# Allegro board meta_carrier_lay_rev1.brd (continued)
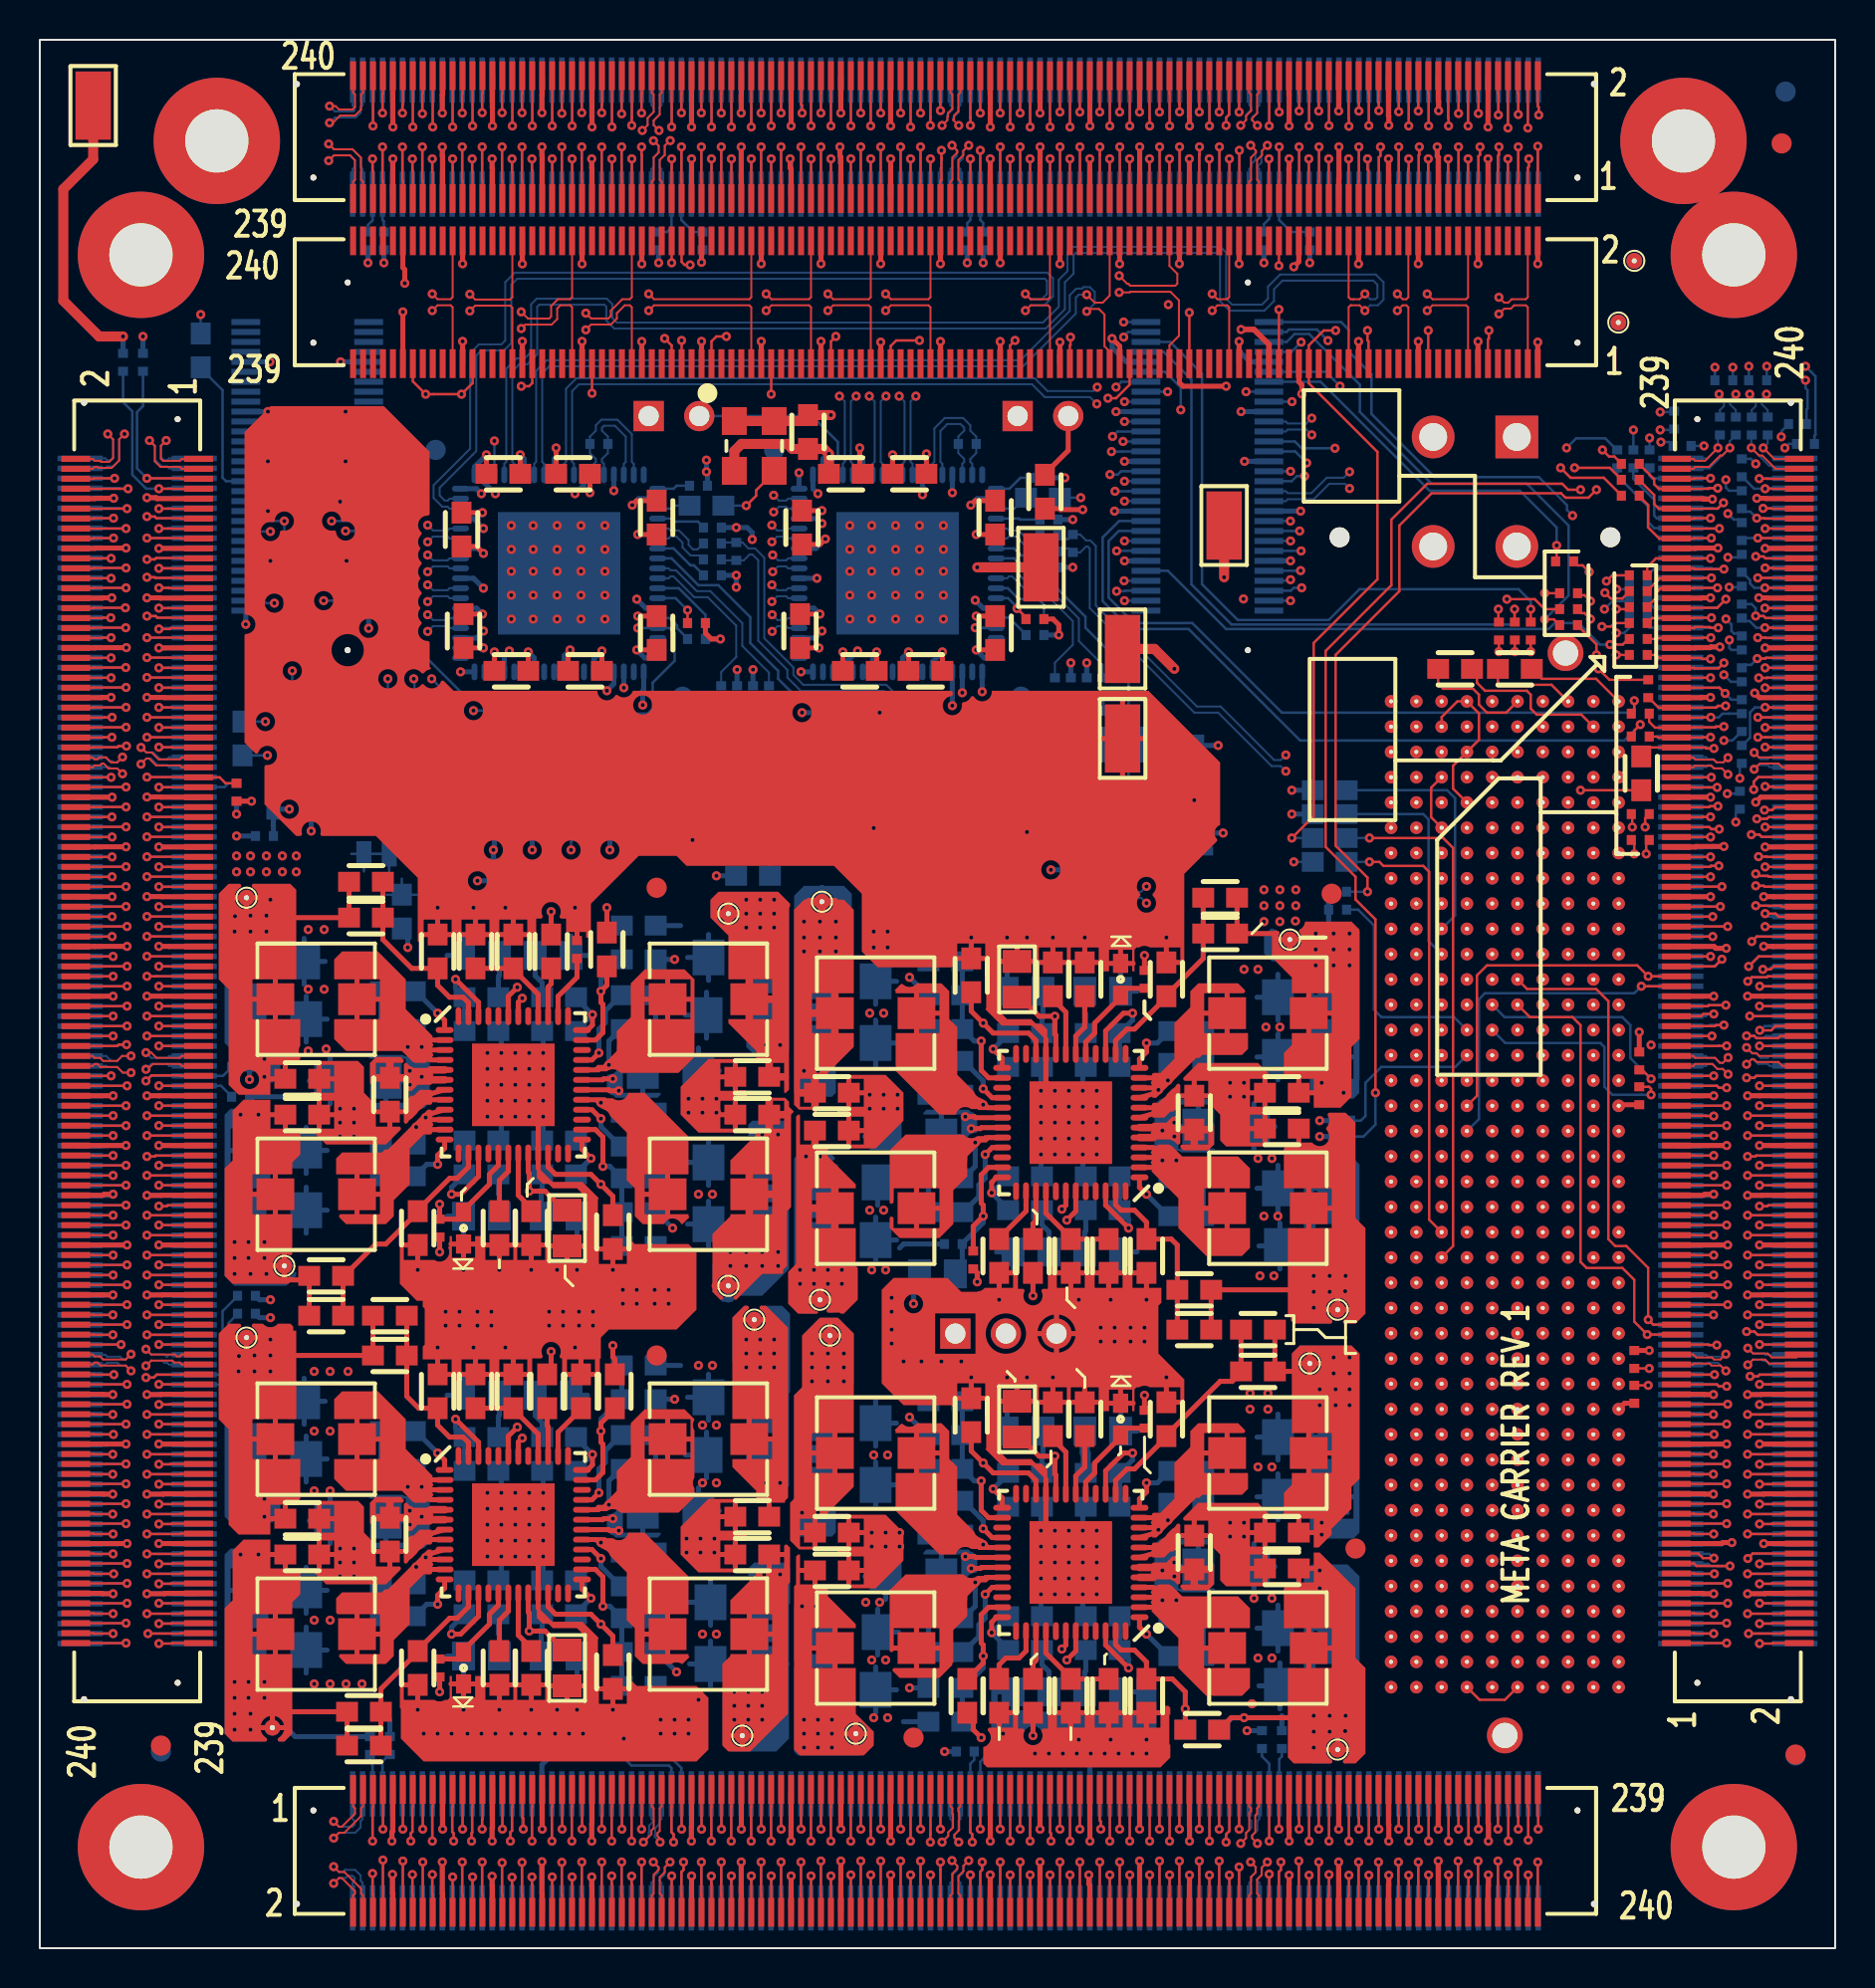
[diagram p0: board, top side]
## Routing (per net, layer and track width the routed paths; a pad name or vN(x,y) marks a point on that pad's centre or on a via; arc(x,y) is an arc through that point) (continued)
  GND_L9 w0.254: 79.3,22.71 79.3,23.27 ; 79.3,23.27 78.73,23.27 ; 79.3,23.27 79.3,23.84 ; 79.3,23.27 79.86,23.27 ; 67.86,18.2 67.86,18.76 ; 67.86,18.2 68.43,18.2 ; 67.86,18.2 67.3,18.2 ; 67.86,18.2 67.86,17.63 ; P1.A32 68.43,52.48 ; P1.A32 67.3,52.48 ; P1.A32 67.86,53.05 ; P1.A32 67.86,51.92 ; 72.94,21.44 P1.E8 ; P1.E8 73.51,22.01 ; P1.E8 72.38,22.01 ; P1.E8 72.94,22.57 ; 79.3,26.52 P1.K12 ; P1.K12 79.3,27.65 ; P1.K12 79.86,27.09 ; P1.K12 78.73,27.09 ; P1.H24 76.75,42.89 ; P1.H24 76.19,42.32 ; P1.H24 76.75,41.76 ; P1.H24 77.32,42.32 ; P1.D22 72.24,39.78 ; P1.D22 71.67,39.22 ; P1.D22 71.67,40.35 ; P1.D22 71.11,39.78 ; 67.86,21.44 P1.A8 ; P1.A8 67.3,22.01 ; P1.A8 67.86,22.57 ; P1.A8 68.43,22.01 ; 78.02,33.44 78.59,33.44 ; 78.02,33.44 78.02,34 ; 78.02,33.44 77.46,33.44 ; 78.02,33.44 78.02,32.87 ; 77.46,52.48 P1.J32 ; P1.J32 78.02,51.92 ; P1.J32 78.59,52.48 ; P1.J32 78.02,53.05 ; 68.57,44.86 P1.B26 ; P1.B26 69.14,44.3 ; P1.B26 69.7,44.86 ; P1.B26 69.14,45.43 ; P1.B34 69.7,55.02 ; P1.B34 69.14,54.46 ; P1.B34 69.14,55.59 ; P1.B34 68.57,55.02 ; 79.3,15.65 79.3,16.22 ; 79.3,15.65 79.3,15.09 ; 79.3,15.65 79.86,15.65 ; 79.3,15.65 78.73,15.65 ; P1.B18 69.14,35.27 ; P1.B18 68.57,34.7 ; P1.B18 69.14,34.14 ; P1.B18 69.7,34.7 ; 78.02,13.12 78.02,13.68 ; 78.02,13.12 78.02,12.55 ; 78.02,13.12 77.46,13.12 ; 78.02,13.12 78.59,13.12 ; 70.41,23.27 70.97,23.27 ; 70.41,23.27 70.41,23.84 ; 70.41,23.27 69.84,23.27 ; 70.41,23.27 70.41,22.71 ; 68.57,14.38 P1.B2 ; P1.B2 69.14,14.95 ; P1.B2 69.7,14.38 ; P1.B2 69.14,13.82 ; 69.14,60.81 P1.B39 ; P1.B39 69.14,61.94 ; P1.B39 68.57,61.38 ; P1.B39 69.7,61.38 ; 71.67,35.98 72.24,35.98 ; 71.67,35.98 71.67,36.54 ; 71.67,35.98 71.67,35.41 ; 71.67,35.98 71.11,35.98 ; 71.67,20.17 71.67,20.73 ; 71.67,20.73 71.67,21.3 ; 71.67,20.73 72.24,20.73 ; 71.67,20.73 71.11,20.73 ; 72.94,33.44 72.94,34 ; 72.94,33.44 73.51,33.44 ; 72.94,33.44 72.38,33.44 ; 72.94,33.44 72.94,32.87 ; 75.48,32.87 75.48,33.44 ; 75.48,33.44 74.92,33.44 ; 75.48,33.44 75.48,34 ; 75.48,33.44 76.05,33.44 ; P1.J26 78.59,44.86 ; P1.J26 78.02,45.43 ; P1.J26 77.46,44.86 ; P1.J26 78.02,44.3 ; 67.86,46.84 P1.A28 ; P1.A28 67.3,47.41 ; P1.A28 67.86,47.97 ; P1.A28 68.43,47.41 ; 69.14,41.05 69.14,41.62 ; 69.14,41.05 69.7,41.05 ; 69.14,41.05 69.14,40.49 ; 69.14,41.05 68.57,41.05 ; 76.75,18.9 P1.H6 ; P1.H6 77.32,19.46 ; P1.H6 76.75,20.03 ; P1.H6 76.19,19.46 ; 75.48,59.54 P1.G38 ; P1.G38 76.05,60.1 ; P1.G38 75.48,60.67 ; P1.G38 74.92,60.1 ; 79.3,30.9 79.86,30.9 ; 79.3,30.9 79.3,31.46 ; 79.3,30.9 78.73,30.9 ; 79.3,30.9 79.3,30.33 ; 70.41,41.76 P1.C24 ; P1.C24 70.41,42.89 ; P1.C24 69.84,42.32 ; P1.C24 70.97,42.32 ; 68.57,24.55 P1.B10 ; P1.B10 69.14,25.11 ; P1.B10 69.14,23.98 ; P1.B10 69.7,24.55 ; P1.G29 76.05,48.67 ; P1.G29 75.48,49.24 ; P1.G29 75.48,48.11 ; P1.G29 74.92,48.67 ; 69.84,47.41 P1.C28 ; P1.C28 70.97,47.41 ; P1.C28 70.41,47.97 ; P1.C28 70.41,46.84 ; 70.41,51.92 P1.C32 ; P1.C32 69.84,52.48 ; P1.C32 70.41,53.05 ; P1.C32 70.97,52.48 ; 72.38,62.64 P1.E40 ; P1.E40 73.51,62.64 ; P1.E40 72.94,63.21 ; P1.E40 72.94,62.08 ; 75.48,29.06 P1.G14 ; P1.G14 74.92,29.62 ; P1.G14 75.48,30.19 ; P1.G14 76.05,29.62 ; 69.14,35.98 69.7,35.98 ; 69.14,35.98 69.14,36.54 ; 69.14,35.98 68.57,35.98 ; 69.14,35.98 69.14,35.41 ; 76.75,38.52 76.75,39.08 ; 76.75,38.52 76.75,37.95 ; 76.75,38.52 77.32,38.52 ; 76.75,38.52 76.19,38.52 ; 76.19,61.38 P1.H39 ; P1.H39 76.75,60.81 ; P1.H39 76.75,61.94 ; P1.H39 77.32,61.38 ; 72.94,44.3 P1.E26 ; P1.E26 73.51,44.86 ; P1.E26 72.94,45.43 ; P1.E26 72.38,44.86 ; P1.J40 78.59,62.64 ; P1.J40 78.02,63.21 ; P1.J40 78.02,62.08 ; P1.J40 77.46,62.64 ; P1.J20 78.59,37.24 ; P1.J20 78.02,36.68 ; P1.J20 77.46,37.24 ; P1.J20 78.02,37.81 ; P1.G26 76.05,44.86 ; P1.G26 75.48,45.43 ; P1.G26 74.92,44.86 ; P1.G26 75.48,44.3 ; 78.02,25.25 P1.J11 ; P1.J11 77.46,25.81 ; P1.J11 78.59,25.81 ; P1.J11 78.02,26.38 ; 67.3,27.09 P1.A12 ; P1.A12 68.43,27.09 ; P1.A12 67.86,26.52 ; P1.A12 67.86,27.65 ; P1.F12 74.78,27.09 ; P1.F12 73.65,27.09 ; P1.F12 74.22,26.52 ; P1.F12 74.22,27.65 ; P1.C20 70.41,37.81 ; P1.C20 70.41,36.68 ; P1.C20 70.97,37.24 ; P1.C20 69.84,37.24 ; 77.46,18.2 78.02,18.2 ; 78.02,18.2 78.02,17.63 ; 78.02,18.2 78.59,18.2 ; 78.02,18.2 78.02,18.76 ; 76.19,14.38 P1.H2 ; P1.H2 76.75,13.82 ; P1.H2 77.32,14.38 ; P1.H2 76.75,14.95 ; 69.84,16.93 P1.C4 ; P1.C4 70.41,16.36 ; P1.C4 70.41,17.49 ; P1.C4 70.97,16.93 ; P1.A13 67.86,28.92 ; P1.A13 67.3,28.35 ; P1.A13 68.43,28.35 ; P1.A13 67.86,27.79 ; P1.B38 69.14,60.67 ; P1.B38 69.14,59.54 ; P1.B38 68.57,60.1 ; P1.B38 69.7,60.1 ; 74.22,38.52 74.22,39.08 ; 74.22,38.52 74.22,37.95 ; 74.22,38.52 74.78,38.52 ; 74.22,38.52 73.65,38.52 ; 67.3,58.84 67.86,58.84 ; 67.86,58.84 67.86,58.27 ; 67.86,58.84 68.43,58.84 ; 67.86,58.84 67.86,59.4 ; 71.67,58.27 71.67,58.84 ; 71.67,58.84 72.24,58.84 ; 71.67,58.84 71.67,59.4 ; 71.67,58.84 71.11,58.84 ; 73.65,61.38 P1.F39 ; P1.F39 74.78,61.38 ; P1.F39 74.22,60.81 ; P1.F39 74.22,61.94 ; 73.65,46.13 P1.F27 ; P1.F27 74.22,45.57 ; P1.F27 74.78,46.13 ; P1.F27 74.22,46.7 ; 67.86,48.11 P1.A29 ; P1.A29 67.3,48.67 ; P1.A29 68.43,48.67 ; P1.A29 67.86,49.24 ; P1.E14 73.51,29.62 ; P1.E14 72.94,29.06 ; P1.E14 72.38,29.62 ; P1.E14 72.94,30.19 ; P1.D6 71.67,20.03 ; P1.D6 71.11,19.46 ; P1.D6 72.24,19.46 ; P1.D6 71.67,18.9 ; 67.86,13.12 67.86,13.68 ; 67.86,13.12 67.86,12.55 ; 67.86,13.12 67.3,13.12 ; 67.86,13.12 68.43,13.12 ; 78.73,19.46 P1.K6 ; P1.K6 79.86,19.46 ; P1.K6 79.3,18.9 ; P1.K6 79.3,20.03 ; 76.19,15.65 76.75,15.65 ; 76.75,15.65 77.32,15.65 ; 76.75,15.65 76.75,16.22 ; 76.75,15.65 76.75,15.09 ; 68.57,30.9 69.14,30.9 ; 69.14,30.9 69.14,31.46 ; 69.14,30.9 69.14,30.33 ; 69.14,30.9 69.7,30.9 ; P1.J38 78.02,60.67 ; P1.J38 77.46,60.1 ; P1.J38 78.02,59.54 ; P1.J38 78.59,60.1 ; P1.D28 72.24,47.41 ; P1.D28 71.11,47.41 ; P1.D28 71.67,47.97 ; P1.D28 71.67,46.84 ; 78.73,42.32 P1.K24 ; P1.K24 79.86,42.32 ; P1.K24 79.3,42.89 ; P1.K24 79.3,41.76 ; 70.41,12.55 70.41,13.12 ; 70.41,13.12 70.97,13.12 ; 70.41,13.12 69.84,13.12 ; 70.41,13.12 70.41,13.68 ; P1.B22 69.7,39.78 ; P1.B22 69.14,39.22 ; P1.B22 68.57,39.78 ; P1.B22 69.14,40.35 ; 77.46,48.67 P1.J29 ; P1.J29 78.59,48.67 ; P1.J29 78.02,49.24 ; P1.J29 78.02,48.11 ; 76.19,46.13 P1.H27 ; P1.H27 77.32,46.13 ; P1.H27 76.75,46.7 ; P1.H27 76.75,45.57 ; 72.38,37.24 P1.E20 ; P1.E20 72.94,37.81 ; P1.E20 73.51,37.24 ; P1.E20 72.94,36.68 ; 71.11,15.65 71.67,15.65 ; 71.67,15.65 71.67,15.09 ; 71.67,15.65 72.24,15.65 ; 71.67,15.65 71.67,16.22 ; P1.K27 79.86,46.13 ; P1.K27 79.3,46.7 ; P1.K27 79.3,45.57 ; P1.K27 78.73,46.13 ; P1.G11 76.05,25.81 ; P1.G11 75.48,26.38 ; P1.G11 74.92,25.81 ; P1.G11 75.48,25.25 ; P1.G40 76.05,62.64 ; P1.G40 75.48,62.08 ; P1.G40 74.92,62.64 ; P1.G40 75.48,63.21 ; 78.73,49.95 P1.K30 ; P1.K30 79.3,49.38 ; P1.K30 79.86,49.95 ; P1.K30 79.3,50.51 ; 67.86,16.36 P1.A4 ; P1.A4 67.86,17.49 ; P1.A4 68.43,16.93 ; P1.A4 67.3,16.93 ; P1.K18 79.86,34.7 ; P1.K18 79.3,34.14 ; P1.K18 78.73,34.7 ; P1.K18 79.3,35.27 ; 69.14,15.09 69.14,15.65 ; 69.14,15.65 68.57,15.65 ; 69.14,15.65 69.14,16.22 ; 69.14,15.65 69.7,15.65 ; P1.C33 70.97,53.75 ; P1.C33 70.41,54.32 ; P1.C33 70.41,53.19 ; P1.C33 69.84,53.75 ; 73.65,23.27 74.22,23.27 ; 74.22,23.27 74.22,23.84 ; 74.22,23.27 74.22,22.71 ; 74.22,23.27 74.78,23.27 ; 72.94,56.3 73.51,56.3 ; 72.94,56.3 72.94,55.73 ; 72.94,56.3 72.38,56.3 ; 72.94,56.3 72.94,56.86 ; 74.22,15.09 74.22,15.65 ; 74.22,15.65 74.78,15.65 ; 74.22,15.65 74.22,16.22 ; 74.22,15.65 73.65,15.65 ; P1.K36 79.86,57.56 ; P1.K36 79.3,57 ; P1.K36 78.73,57.56 ; P1.K36 79.3,58.13 ; P1.K33 79.3,54.32 ; P1.K33 79.3,53.19 ; P1.K33 78.73,53.75 ; P1.K33 79.86,53.75 ; 75.48,21.44 P1.G8 ; P1.G8 76.05,22.01 ; P1.G8 74.92,22.01 ; P1.G8 75.48,22.57 ; 74.18,74.6 J7.1 ; J7.1 72.85,75.93 ; J7.1 74.18,77.26 ; J7.1 75.51,75.93 ; P1.F24 74.78,42.32 ; P1.F24 73.65,42.32 ; P1.F24 74.22,42.89 ; P1.F24 74.22,41.76 ; 76.75,49.38 P1.H30 ; P1.H30 76.75,50.51 ; P1.H30 76.19,49.95 ; P1.H30 77.32,49.95 ; P1.A24 67.86,42.89 ; P1.A24 67.3,42.32 ; P1.A24 68.43,42.32 ; P1.A24 67.86,41.76 ; 74.22,13.82 P1.F2 ; P1.F2 74.22,14.95 ; P1.F2 74.78,14.38 ; P1.F2 73.65,14.38 ; P1.D10 72.24,24.55 ; P1.D10 71.11,24.55 ; P1.D10 71.67,23.98 ; P1.D10 71.67,25.11 ; 74.22,34.14 P1.F18 ; P1.F18 74.78,34.7 ; P1.F18 73.65,34.7 ; P1.F18 74.22,35.27 ; 67.86,57 P1.A36 ; P1.A36 67.3,57.56 ; P1.A36 68.43,57.56 ; P1.A36 67.86,58.13 ; 71.11,32.16 P1.D16 ; P1.D16 71.67,31.6 ; P1.D16 72.24,32.16 ; P1.D16 71.67,32.73 ; 71.67,27.79 P1.D13 ; P1.D13 71.11,28.35 ; P1.D13 71.67,28.92 ; P1.D13 72.24,28.35 ; 75.48,18.2 76.05,18.2 ; 75.48,18.2 75.48,18.76 ; 75.48,18.2 74.92,18.2 ; 75.48,18.2 75.48,17.63 ; P1.B14 69.14,30.19 ; P1.B14 68.57,29.62 ; P1.B14 69.7,29.62 ; P1.B14 69.14,29.06 ; 71.11,61.38 P1.D39 ; P1.D39 71.67,60.81 ; P1.D39 72.24,61.38 ; P1.D39 71.67,61.94 ; P1.J4 78.02,17.49 ; P1.J4 78.59,16.93 ; P1.J4 77.46,16.93 ; P1.J4 78.02,16.36 ; 69.84,22.01 P1.C8 ; P1.C8 70.41,21.44 ; P1.C8 70.97,22.01 ; P1.C8 70.41,22.57 ; 69.84,38.52 70.41,38.52 ; 70.41,38.52 70.41,37.95 ; 70.41,38.52 70.41,39.08 ; 70.41,38.52 70.97,38.52 ; P1.C12 70.41,27.65 ; P1.C12 70.97,27.09 ; P1.C12 69.84,27.09 ; P1.C12 70.41,26.52 ; P1.A16 68.43,32.16 ; P1.A16 67.86,32.73 ; P1.A16 67.86,31.6 ; P1.A16 67.3,32.16 ; 69.14,20.73 69.14,21.3 ; 69.14,20.73 69.7,20.73 ; 69.14,20.73 68.57,20.73 ; 69.14,20.73 69.14,20.17 ; 76.75,30.33 76.75,30.9 ; 76.75,30.9 77.32,30.9 ; 76.75,30.9 76.19,30.9 ; 76.75,30.9 76.75,31.46 ; P1.K2 79.86,14.38 ; P1.K2 79.3,14.95 ; P1.K2 78.73,14.38 ; P1.K2 79.3,13.82 ; P1.E32 73.51,52.48 ; P1.E32 72.38,52.48 ; P1.E32 72.94,51.92 ; P1.E32 72.94,53.05 ; P1.C38 70.97,60.1 ; P1.C38 69.84,60.1 ; P1.C38 70.41,59.54 ; P1.C38 70.41,60.67 ; P1.E29 73.51,48.67 ; P1.E29 72.94,48.11 ; P1.E29 72.38,48.67 ; P1.E29 72.94,49.24 ; 75.48,41.05 75.48,41.62 ; 75.48,41.05 76.05,41.05 ; 75.48,41.05 74.92,41.05 ; 75.48,41.05 75.48,40.49 ; P1.C36 70.41,58.13 ; P1.C36 70.97,57.56 ; P1.C36 70.41,57 ; P1.C36 69.84,57.56 ; 74.22,30.33 74.22,30.9 ; 74.22,30.9 74.78,30.9 ; 74.22,30.9 73.65,30.9 ; 74.22,30.9 74.22,31.46 ; P1.A33 67.86,54.32 ; P1.A33 68.43,53.75 ; P1.A33 67.3,53.75 ; P1.A33 67.86,53.19 ; 76.75,57 P1.H36 ; P1.H36 76.75,58.13 ; P1.H36 76.19,57.56 ; P1.H36 77.32,57.56 ; 67.86,32.87 67.86,33.44 ; 67.86,33.44 67.3,33.44 ; 67.86,33.44 68.43,33.44 ; 67.86,33.44 67.86,34 ; 67.86,22.71 67.86,23.27 ; 67.86,23.27 68.43,23.27 ; 67.86,23.27 67.3,23.27 ; 67.86,23.27 67.86,23.84 ; 70.41,62.08 P1.C40 ; P1.C40 70.97,62.64 ; P1.C40 70.41,63.21 ; P1.C40 69.84,62.64 ; 72.94,13.12 73.51,13.12 ; 72.94,13.12 72.94,12.55 ; 72.94,13.12 72.94,13.68 ; 72.94,13.12 72.38,13.12 ; P1.G4 75.48,17.49 ; P1.G4 74.92,16.93 ; P1.G4 75.48,16.36 ; P1.G4 76.05,16.93 ; P1.B6 69.14,20.03 ; P1.B6 69.7,19.46 ; P1.B6 68.57,19.46 ; P1.B6 69.14,18.9 ; P1.E38 73.51,60.1 ; P1.E38 72.94,60.67 ; P1.E38 72.94,59.54 ; P1.E38 72.38,60.1 ; 72.38,18.2 72.94,18.2 ; 72.94,18.2 72.94,17.63 ; 72.94,18.2 73.51,18.2 ; 72.94,18.2 72.94,18.76 ; 73.65,57.56 P1.F36 ; P1.F36 74.78,57.56 ; P1.F36 74.22,57 ; P1.F36 74.22,58.13 ; 76.75,53.19 P1.H33 ; P1.H33 77.32,53.75 ; P1.H33 76.19,53.75 ; P1.H33 76.75,54.32 ; 76.19,27.09 P1.H12 ; P1.H12 76.75,27.65 ; P1.H12 76.75,26.52 ; P1.H12 77.32,27.09 ; P1.D2 71.67,14.95 ; P1.D2 71.11,14.38 ; P1.D2 71.67,13.82 ; P1.D2 72.24,14.38 ; P1.G32 76.05,52.48 ; P1.G32 75.48,51.92 ; P1.G32 75.48,53.05 ; P1.G32 74.92,52.48 ; 73.65,19.46 P1.F6 ; P1.F6 74.78,19.46 ; P1.F6 74.22,20.03 ; P1.F6 74.22,18.9 ; P1.A20 67.86,37.81 ; P1.A20 68.43,37.24 ; P1.A20 67.86,36.68 ; P1.A20 67.3,37.24 ; P1.F30 74.78,49.95 ; P1.F30 74.22,50.51 ; P1.F30 73.65,49.95 ; P1.F30 74.22,49.38 ; P1.C29 70.97,48.67 ; P1.C29 70.41,49.24 ; P1.C29 70.41,48.11 ; P1.C29 69.84,48.67 ; P1.B31 69.7,51.21 ; P1.B31 69.14,50.65 ; P1.B31 68.57,51.21 ; P1.B31 69.14,51.78 ; J10.3 52.07,30.88 ; J10.3 50.05,30.88 ; J10.3 51.06,29.87 ; J10.3 51.06,31.89 ; 79.3,38.52 79.86,38.52 ; 79.3,38.52 79.3,39.08 ; 79.3,38.52 78.73,38.52 ; 79.3,38.52 79.3,37.95 ; 74.92,56.3 75.48,56.3 ; 75.48,56.3 75.48,56.86 ; 75.48,56.3 76.05,56.3 ; 75.48,56.3 75.48,55.73 ; J9.1 50.12,76.98 ; J9.1 48.1,76.98 ; J9.1 49.11,75.97 ; J9.1 49.11,77.99 ; P1.A25 67.86,44.16 ; P1.A25 67.3,43.59 ; P1.A25 67.86,43.03 ; P1.A25 68.43,43.59 ; P1.K39 79.3,61.94 ; P1.K39 79.3,60.81 ; P1.K39 78.73,61.38 ; P1.K39 79.86,61.38 ; 72.94,41.05 73.51,41.05 ; 72.94,41.05 72.38,41.05 ; 72.94,41.05 72.94,40.49 ; 72.94,41.05 72.94,41.62 ; 70.41,33.44 70.97,33.44 ; 70.41,33.44 70.41,34 ; 70.41,33.44 70.41,32.87 ; 70.41,33.44 69.84,33.44 ; 68.57,49.95 P1.B30 ; P1.B30 69.7,49.95 ; P1.B30 69.14,49.38 ; P1.B30 69.14,50.51 ; J7.2 71.31,75.93 ; J7.2 68.65,75.93 ; J7.2 69.98,74.6 ; J7.2 69.98,77.26 ; 69.84,32.16 P1.C16 ; P1.C16 70.41,32.73 ; P1.C16 70.97,32.16 ; P1.C16 70.41,31.6 ; P1.E4 73.51,16.93 ; P1.E4 72.94,17.49 ; P1.E4 72.38,16.93 ; P1.E4 72.94,16.36 ; 69.14,45.57 P1.B27 ; P1.B27 69.7,46.13 ; P1.B27 68.57,46.13 ; P1.B27 69.14,46.7 ; 78.02,21.44 P1.J8 ; P1.J8 78.59,22.01 ; P1.J8 78.02,22.57 ; P1.J8 77.46,22.01 ; 78.02,41.05 78.02,41.62 ; 78.02,41.05 77.46,41.05 ; 78.02,41.05 78.02,40.49 ; 78.02,41.05 78.59,41.05 ; P1.D25 71.67,44.16 ; P1.D25 71.67,43.03 ; P1.D25 71.11,43.59 ; P1.D25 72.24,43.59 ; P1.G20 75.48,37.81 ; P1.G20 76.05,37.24 ; P1.G20 75.48,36.68 ; P1.G20 74.92,37.24 ; P1.C13 70.41,28.92 ; P1.C13 70.41,27.79 ; P1.C13 69.84,28.35 ; P1.C13 70.97,28.35 ; 70.41,18.2 70.97,18.2 ; 70.41,18.2 69.84,18.2 ; 70.41,18.2 70.41,18.76 ; 70.41,18.2 70.41,17.63 ; P1.E11 72.94,26.38 ; P1.E11 72.38,25.81 ; P1.E11 72.94,25.25 ; P1.E11 73.51,25.81 ; 74.22,53.19 P1.F33 ; P1.F33 73.65,53.75 ; P1.F33 74.78,53.75 ; P1.F33 74.22,54.32 ; 74.92,13.12 75.48,13.12 ; 75.48,13.12 75.48,12.55 ; 75.48,13.12 75.48,13.68 ; 75.48,13.12 76.05,13.12 ; 78.02,56.3 78.02,56.86 ; 78.02,56.3 78.59,56.3 ; 78.02,56.3 78.02,55.73 ; 78.02,56.3 77.46,56.3 ; 69.14,56.3 69.7,56.3 ; 69.14,56.3 69.14,56.86 ; 69.14,56.3 69.14,55.73 ; 69.14,56.3 68.57,56.3 ; 67.86,37.95 67.86,38.52 ; 67.86,38.52 68.43,38.52 ; 67.86,38.52 67.86,39.08 ; 67.86,38.52 67.3,38.52 ; 69.14,25.25 P1.B11 ; P1.B11 69.14,26.38 ; P1.B11 68.57,25.81 ; P1.B11 69.7,25.81 ; P1.A40 68.43,62.64 ; P1.A40 67.3,62.64 ; P1.A40 67.86,62.08 ; P1.A40 67.86,63.21 ; P1.C25 70.41,44.16 ; P1.C25 70.41,43.03 ; P1.C25 70.97,43.59 ; P1.C25 69.84,43.59 ; 76.19,23.27 76.75,23.27 ; 76.75,23.27 76.75,22.71 ; 76.75,23.27 76.75,23.84 ; 76.75,23.27 77.32,23.27 ; P1.J14 78.59,29.62 ; P1.J14 78.02,29.06 ; P1.J14 78.02,30.19 ; P1.J14 77.46,29.62 ; P1.H18 77.32,34.7 ; P1.H18 76.75,34.14 ; P1.H18 76.75,35.27 ; P1.H18 76.19,34.7
  GND_L11 w0.254: 69.14,54.46 P1.B34 ; P1.B34 69.14,55.59 ; P1.B34 68.57,55.02 ; P1.B34 69.7,55.02 ; P1.E32 73.51,52.48 ; P1.E32 72.94,51.92 ; P1.E32 72.94,53.05 ; P1.E32 72.38,52.48 ; 70.41,18.2 70.41,18.76 ; 70.41,18.2 70.41,17.63 ; 70.41,18.2 69.84,18.2 ; 70.41,18.2 70.97,18.2 ; 68.57,20.73 69.14,20.73 ; 69.14,20.73 69.14,20.17 ; 69.14,20.73 69.14,21.3 ; 69.14,20.73 69.7,20.73 ; 75.48,12.55 75.48,13.12 ; 75.48,13.12 75.48,13.68 ; 75.48,13.12 76.05,13.12 ; 75.48,13.12 74.92,13.12 ; P1.F27 74.22,46.7 ; P1.F27 74.78,46.13 ; P1.F27 73.65,46.13 ; P1.F27 74.22,45.57 ; P1.J40 78.02,63.21 ; P1.J40 77.46,62.64 ; P1.J40 78.02,62.08 ; P1.J40 78.59,62.64 ; 78.02,48.11 P1.J29 ; P1.J29 77.46,48.67 ; P1.J29 78.02,49.24 ; P1.J29 78.59,48.67 ; 78.73,53.75 P1.K33 ; P1.K33 79.86,53.75 ; P1.K33 79.3,54.32 ; P1.K33 79.3,53.19 ; 70.41,48.11 P1.C29 ; P1.C29 70.41,49.24 ; P1.C29 70.97,48.67 ; P1.C29 69.84,48.67 ; P1.C20 70.41,37.81 ; P1.C20 69.84,37.24 ; P1.C20 70.97,37.24 ; P1.C20 70.41,36.68 ; 76.19,46.13 P1.H27 ; P1.H27 76.75,45.57 ; P1.H27 77.32,46.13 ; P1.H27 76.75,46.7 ; P1.G32 75.48,53.05 ; P1.G32 76.05,52.48 ; P1.G32 74.92,52.48 ; P1.G32 75.48,51.92 ; 76.75,23.27 77.32,23.27 ; 76.75,23.27 76.75,22.71 ; 76.75,23.27 76.19,23.27 ; 76.75,23.27 76.75,23.84 ; 72.94,29.06 P1.E14 ; P1.E14 72.38,29.62 ; P1.E14 72.94,30.19 ; P1.E14 73.51,29.62 ; 74.92,18.2 75.48,18.2 ; 75.48,18.2 76.05,18.2 ; 75.48,18.2 75.48,18.76 ; 75.48,18.2 75.48,17.63 ; 74.92,37.24 P1.G20 ; P1.G20 75.48,36.68 ; P1.G20 75.48,37.81 ; P1.G20 76.05,37.24 ; J7.1 75.51,75.93 ; J7.1 74.18,74.6 ; J7.1 74.18,77.26 ; J7.1 72.85,75.93 ; 77.46,60.1 P1.J38 ; P1.J38 78.02,60.67 ; P1.J38 78.59,60.1 ; P1.J38 78.02,59.54 ; 73.65,19.46 P1.F6 ; P1.F6 74.22,20.03 ; P1.F6 74.22,18.9 ; P1.F6 74.78,19.46 ; P1.H6 76.75,20.03 ; P1.H6 76.19,19.46 ; P1.H6 76.75,18.9 ; P1.H6 77.32,19.46 ; P1.C36 70.41,58.13 ; P1.C36 70.41,57 ; P1.C36 69.84,57.56 ; P1.C36 70.97,57.56 ; 72.94,21.44 P1.E8 ; P1.E8 73.51,22.01 ; P1.E8 72.94,22.57 ; P1.E8 72.38,22.01 ; 67.86,23.27 67.86,23.84 ; 67.86,23.27 67.86,22.71 ; 67.86,23.27 68.43,23.27 ; 67.86,23.27 67.3,23.27 ; 76.19,14.38 P1.H2 ; P1.H2 76.75,13.82 ; P1.H2 76.75,14.95 ; P1.H2 77.32,14.38 ; 76.75,38.52 76.75,39.08 ; 76.75,38.52 76.75,37.95 ; 76.75,38.52 76.19,38.52 ; 76.75,38.52 77.32,38.52 ; P1.B39 69.7,61.38 ; P1.B39 68.57,61.38 ; P1.B39 69.14,61.94 ; P1.B39 69.14,60.81 ; 70.41,26.52 P1.C12 ; P1.C12 70.41,27.65 ; P1.C12 70.97,27.09 ; P1.C12 69.84,27.09 ; 70.41,23.27 70.97,23.27 ; 70.41,23.27 70.41,22.71 ; 70.41,23.27 70.41,23.84 ; 70.41,23.27 69.84,23.27 ; 67.86,13.12 68.43,13.12 ; 67.86,13.12 67.3,13.12 ; 67.86,13.12 67.86,12.55 ; 67.86,13.12 67.86,13.68 ; P1.C28 70.41,47.97 ; P1.C28 70.97,47.41 ; P1.C28 70.41,46.84 ; P1.C28 69.84,47.41 ; 68.57,39.78 P1.B22 ; P1.B22 69.14,39.22 ; P1.B22 69.14,40.35 ; P1.B22 69.7,39.78 ; 71.67,60.81 P1.D39 ; P1.D39 71.67,61.94 ; P1.D39 72.24,61.38 ; P1.D39 71.11,61.38 ; 73.65,42.32 P1.F24 ; P1.F24 74.78,42.32 ; P1.F24 74.22,42.89 ; P1.F24 74.22,41.76 ; 79.3,37.95 79.3,38.52 ; 79.3,38.52 79.3,39.08 ; 79.3,38.52 79.86,38.52 ; 79.3,38.52 78.73,38.52 ; 67.86,46.84 P1.A28 ; P1.A28 67.3,47.41 ; P1.A28 68.43,47.41 ; P1.A28 67.86,47.97 ; 71.67,58.27 71.67,58.84 ; 71.67,58.84 72.24,58.84 ; 71.67,58.84 71.67,59.4 ; 71.67,58.84 71.11,58.84 ; P1.E4 73.51,16.93 ; P1.E4 72.94,17.49 ; P1.E4 72.94,16.36 ; P1.E4 72.38,16.93 ; P1.G8 76.05,22.01 ; P1.G8 75.48,22.57 ; P1.G8 75.48,21.44 ; P1.G8 74.92,22.01 ; 69.14,44.3 P1.B26 ; P1.B26 68.57,44.86 ; P1.B26 69.14,45.43 ; P1.B26 69.7,44.86 ; P1.A33 67.86,54.32 ; P1.A33 67.86,53.19 ; P1.A33 67.3,53.75 ; P1.A33 68.43,53.75 ; P1.H39 76.75,61.94 ; P1.H39 77.32,61.38 ; P1.H39 76.19,61.38 ; P1.H39 76.75,60.81 ; 69.84,38.52 70.41,38.52 ; 70.41,38.52 70.41,39.08 ; 70.41,38.52 70.41,37.95 ; 70.41,38.52 70.97,38.52 ; 79.3,22.71 79.3,23.27 ; 79.3,23.27 79.3,23.84 ; 79.3,23.27 78.73,23.27 ; 79.3,23.27 79.86,23.27 ; 78.02,21.44 P1.J8 ; P1.J8 78.59,22.01 ; P1.J8 77.46,22.01 ; P1.J8 78.02,22.57 ; P1.J14 78.59,29.62 ; P1.J14 77.46,29.62 ; P1.J14 78.02,29.06 ; P1.J14 78.02,30.19 ; J10.3 52.07,30.88 ; J10.3 50.05,30.88 ; J10.3 51.06,31.89 ; J10.3 51.06,29.87 ; P1.F30 74.78,49.95 ; P1.F30 74.22,49.38 ; P1.F30 73.65,49.95 ; P1.F30 74.22,50.51 ; 67.86,58.84 68.43,58.84 ; 67.86,58.84 67.3,58.84 ; 67.86,58.84 67.86,59.4 ; 67.86,58.84 67.86,58.27 ; P1.C25 70.41,44.16 ; P1.C25 70.41,43.03 ; P1.C25 69.84,43.59 ; P1.C25 70.97,43.59 ; P1.C40 70.97,62.64 ; P1.C40 70.41,62.08 ; P1.C40 70.41,63.21 ; P1.C40 69.84,62.64 ; P1.D25 71.67,44.16 ; P1.D25 72.24,43.59 ; P1.D25 71.67,43.03 ; P1.D25 71.11,43.59 ; P1.J26 78.59,44.86 ; P1.J26 78.02,45.43 ; P1.J26 78.02,44.3 ; P1.J26 77.46,44.86 ; P1.C38 70.97,60.1 ; P1.C38 70.41,60.67 ; P1.C38 70.41,59.54 ; P1.C38 69.84,60.1 ; P1.K18 79.86,34.7 ; P1.K18 79.3,34.14 ; P1.K18 79.3,35.27 ; P1.K18 78.73,34.7 ; P1.C8 70.41,22.57 ; P1.C8 70.97,22.01 ; P1.C8 70.41,21.44 ; P1.C8 69.84,22.01 ; P1.D28 72.24,47.41 ; P1.D28 71.67,47.97 ; P1.D28 71.67,46.84 ; P1.D28 71.11,47.41 ; 78.02,41.05 78.59,41.05 ; 78.02,41.05 78.02,40.49 ; 78.02,41.05 78.02,41.62 ; 78.02,41.05 77.46,41.05 ; 71.11,20.73 71.67,20.73 ; 71.67,20.73 71.67,21.3 ; 71.67,20.73 71.67,20.17 ; 71.67,20.73 72.24,20.73 ; 69.14,29.06 P1.B14 ; P1.B14 69.7,29.62 ; P1.B14 68.57,29.62 ; P1.B14 69.14,30.19 ; P1.D16 71.67,32.73 ; P1.D16 71.11,32.16 ; P1.D16 72.24,32.16 ; P1.D16 71.67,31.6 ; 67.3,48.67 P1.A29 ; P1.A29 68.43,48.67 ; P1.A29 67.86,48.11 ; P1.A29 67.86,49.24 ; 49.11,75.97 J9.1 ; J9.1 48.1,76.98 ; J9.1 50.12,76.98 ; J9.1 49.11,77.99 ; 79.3,49.38 P1.K30 ; P1.K30 79.86,49.95 ; P1.K30 79.3,50.51 ; P1.K30 78.73,49.95 ; 76.75,53.19 P1.H33 ; P1.H33 76.75,54.32 ; P1.H33 76.19,53.75 ; P1.H33 77.32,53.75 ; 74.22,22.71 74.22,23.27 ; 74.22,23.27 74.22,23.84 ; 74.22,23.27 74.78,23.27 ; 74.22,23.27 73.65,23.27 ; P1.B30 69.7,49.95 ; P1.B30 69.14,50.51 ; P1.B30 68.57,49.95 ; P1.B30 69.14,49.38 ; P1.A16 67.86,32.73 ; P1.A16 67.86,31.6 ; P1.A16 68.43,32.16 ; P1.A16 67.3,32.16 ; P1.A24 67.86,42.89 ; P1.A24 68.43,42.32 ; P1.A24 67.86,41.76 ; P1.A24 67.3,42.32 ; 76.19,57.56 P1.H36 ; P1.H36 76.75,57 ; P1.H36 77.32,57.56 ; P1.H36 76.75,58.13 ; 69.14,55.73 69.14,56.3 ; 69.14,56.3 69.14,56.86 ; 69.14,56.3 68.57,56.3 ; 69.14,56.3 69.7,56.3 ; 77.46,56.3 78.02,56.3 ; 78.02,56.3 78.02,55.73 ; 78.02,56.3 78.59,56.3 ; 78.02,56.3 78.02,56.86 ; 70.41,12.55 70.41,13.12 ; 70.41,13.12 70.41,13.68 ; 70.41,13.12 70.97,13.12 ; 70.41,13.12 69.84,13.12 ; 76.75,15.65 77.32,15.65 ; 76.75,15.65 76.75,15.09 ; 76.75,15.65 76.19,15.65 ; 76.75,15.65 76.75,16.22 ; 68.57,46.13 P1.B27 ; P1.B27 69.14,45.57 ; P1.B27 69.7,46.13 ; P1.B27 69.14,46.7 ; P1.J11 78.59,25.81 ; P1.J11 77.46,25.81 ; P1.J11 78.02,26.38 ; P1.J11 78.02,25.25 ; P1.C16 70.97,32.16 ; P1.C16 70.41,31.6 ; P1.C16 70.41,32.73 ; P1.C16 69.84,32.16 ; P1.A4 68.43,16.93 ; P1.A4 67.3,16.93 ; P1.A4 67.86,17.49 ; P1.A4 67.86,16.36 ; P1.B10 69.7,24.55 ; P1.B10 69.14,25.11 ; P1.B10 69.14,23.98 ; P1.B10 68.57,24.55 ; 76.75,26.52 P1.H12 ; P1.H12 76.19,27.09 ; P1.H12 77.32,27.09 ; P1.H12 76.75,27.65 ; 69.14,41.05 69.7,41.05 ; 69.14,41.05 69.14,40.49 ; 69.14,41.05 69.14,41.62 ; 69.14,41.05 68.57,41.05 ; 69.14,34.14 P1.B18 ; P1.B18 68.57,34.7 ; P1.B18 69.7,34.7 ; P1.B18 69.14,35.27 ; P1.J20 78.59,37.24 ; P1.J20 77.46,37.24 ; P1.J20 78.02,36.68 ; P1.J20 78.02,37.81 ; P1.H30 77.32,49.95 ; P1.H30 76.75,50.51 ; P1.H30 76.19,49.95 ; P1.H30 76.75,49.38 ; 78.73,57.56 P1.K36 ; P1.K36 79.3,57 ; P1.K36 79.86,57.56 ; P1.K36 79.3,58.13 ; 72.94,12.55 72.94,13.12 ; 72.94,13.12 72.38,13.12 ; 72.94,13.12 73.51,13.12 ; 72.94,13.12 72.94,13.68 ; 74.92,62.64 P1.G40 ; P1.G40 75.48,62.08 ; P1.G40 75.48,63.21 ; P1.G40 76.05,62.64 ; 74.92,16.93 P1.G4 ; P1.G4 75.48,16.36 ; P1.G4 75.48,17.49 ; P1.G4 76.05,16.93 ; 74.22,30.33 74.22,30.9 ; 74.22,30.9 74.78,30.9 ; 74.22,30.9 74.22,31.46 ; 74.22,30.9 73.65,30.9 ; 68.57,35.98 69.14,35.98 ; 69.14,35.98 69.14,36.54 ; 69.14,35.98 69.7,35.98 ; 69.14,35.98 69.14,35.41 ; P1.B6 69.14,20.03 ; P1.B6 68.57,19.46 ; P1.B6 69.7,19.46 ; P1.B6 69.14,18.9 ; 74.92,29.62 P1.G14 ; P1.G14 76.05,29.62 ; P1.G14 75.48,30.19 ; P1.G14 75.48,29.06 ; P1.D22 71.67,40.35 ; P1.D22 72.24,39.78 ; P1.D22 71.11,39.78 ; P1.D22 71.67,39.22 ; 70.41,41.76 P1.C24 ; P1.C24 69.84,42.32 ; P1.C24 70.41,42.89 ; P1.C24 70.97,42.32 ; 74.22,15.65 74.22,16.22 ; 74.22,15.65 74.22,15.09 ; 74.22,15.65 73.65,15.65 ; 74.22,15.65 74.78,15.65 ; P1.A25 67.86,44.16 ; P1.A25 67.86,43.03 ; P1.A25 68.43,43.59 ; P1.A25 67.3,43.59 ; 78.02,17.63 78.02,18.2 ; 78.02,18.2 77.46,18.2 ; 78.02,18.2 78.59,18.2 ; 78.02,18.2 78.02,18.76 ; 75.48,33.44 75.48,34 ; 75.48,33.44 75.48,32.87 ; 75.48,33.44 76.05,33.44 ; 75.48,33.44 74.92,33.44 ; 74.92,56.3 75.48,56.3 ; 75.48,56.3 75.48,55.73 ; 75.48,56.3 75.48,56.86 ; 75.48,56.3 76.05,56.3 ; 75.48,25.25 P1.G11 ; P1.G11 74.92,25.81 ; P1.G11 76.05,25.81 ; P1.G11 75.48,26.38 ; 72.94,48.11 P1.E29 ; P1.E29 72.38,48.67 ; P1.E29 73.51,48.67 ; P1.E29 72.94,49.24 ; P1.E38 73.51,60.1 ; P1.E38 72.94,59.54 ; P1.E38 72.38,60.1 ; P1.E38 72.94,60.67 ; P1.B11 69.7,25.81 ; P1.B11 68.57,25.81 ; P1.B11 69.14,25.25 ; P1.B11 69.14,26.38 ; 77.46,13.12 78.02,13.12 ; 78.02,13.12 78.59,13.12 ; 78.02,13.12 78.02,12.55 ; 78.02,13.12 78.02,13.68 ; P1.F39 74.22,61.94 ; P1.F39 74.22,60.81 ; P1.F39 74.78,61.38 ; P1.F39 73.65,61.38 ; P1.G26 76.05,44.86 ; P1.G26 74.92,44.86 ; P1.G26 75.48,45.43 ; P1.G26 75.48,44.3 ; P1.F12 74.22,27.65 ; P1.F12 74.22,26.52 ; P1.F12 74.78,27.09 ; P1.F12 73.65,27.09 ; 69.14,30.9 69.7,30.9 ; 69.14,30.9 68.57,30.9 ; 69.14,30.9 69.14,31.46 ; 69.14,30.9 69.14,30.33 ; P1.F2 74.22,14.95 ; P1.F2 74.78,14.38 ; P1.F2 74.22,13.82 ; P1.F2 73.65,14.38 ; P1.B2 69.7,14.38 ; P1.B2 68.57,14.38 ; P1.B2 69.14,13.82 ; P1.B2 69.14,14.95 ; P1.F33 74.78,53.75 ; P1.F33 74.22,54.32 ; P1.F33 73.65,53.75 ; P1.F33 74.22,53.19 ; 78.73,46.13 P1.K27 ; P1.K27 79.86,46.13 ; P1.K27 79.3,45.57 ; P1.K27 79.3,46.7 ; P1.E40 72.94,63.21 ; P1.E40 73.51,62.64 ; P1.E40 72.94,62.08 ; P1.E40 72.38,62.64 ; P1.J32 78.59,52.48 ; P1.J32 78.02,53.05 ; P1.J32 78.02,51.92 ; P1.J32 77.46,52.48 ; P1.D13 72.24,28.35 ; P1.D13 71.11,28.35 ; P1.D13 71.67,28.92 ; P1.D13 71.67,27.79 ; 70.41,51.92 P1.C32 ; P1.C32 70.41,53.05 ; P1.C32 69.84,52.48 ; P1.C32 70.97,52.48 ; J7.2 71.31,75.93 ; J7.2 69.98,77.26 ; J7.2 68.65,75.93 ; J7.2 69.98,74.6 ; 67.3,27.09 P1.A12 ; P1.A12 67.86,27.65 ; P1.A12 67.86,26.52 ; P1.A12 68.43,27.09 ; 78.02,16.36 P1.J4 ; P1.J4 77.46,16.93 ; P1.J4 78.02,17.49 ; P1.J4 78.59,16.93 ; 79.3,41.76 P1.K24 ; P1.K24 79.3,42.89 ; P1.K24 78.73,42.32 ; P1.K24 79.86,42.32 ; 69.14,15.09 69.14,15.65 ; 69.14,15.65 69.7,15.65 ; 69.14,15.65 68.57,15.65 ; 69.14,15.65 69.14,16.22 ; 78.73,15.65 79.3,15.65 ; 79.3,15.65 79.86,15.65 ; 79.3,15.65 79.3,15.09 ; 79.3,15.65 79.3,16.22 ; 72.94,56.3 72.94,56.86 ; 72.94,56.3 72.94,55.73 ; 72.94,56.3 73.51,56.3 ; 72.94,56.3 72.38,56.3 ; 75.48,59.54 P1.G38 ; P1.G38 76.05,60.1 ; P1.G38 75.48,60.67 ; P1.G38 74.92,60.1 ; P1.F36 74.78,57.56 ; P1.F36 74.22,57 ; P1.F36 74.22,58.13 ; P1.F36 73.65,57.56 ; 72.38,18.2 72.94,18.2 ; 72.94,18.2 73.51,18.2 ; 72.94,18.2 72.94,18.76 ; 72.94,18.2 72.94,17.63 ; 71.67,35.98 72.24,35.98 ; 71.67,35.98 71.11,35.98 ; 71.67,35.98 71.67,36.54 ; 71.67,35.98 71.67,35.41 ; 69.84,53.75 P1.C33 ; P1.C33 70.41,54.32 ; P1.C33 70.97,53.75 ; P1.C33 70.41,53.19 ; 69.14,59.54 P1.B38 ; P1.B38 69.14,60.67 ; P1.B38 69.7,60.1 ; P1.B38 68.57,60.1 ; 70.41,27.79 P1.C13 ; P1.C13 69.84,28.35 ; P1.C13 70.97,28.35 ; P1.C13 70.41,28.92 ; 76.75,30.9 76.75,31.46 ; 76.75,30.9 76.19,30.9 ; 76.75,30.9 77.32,30.9 ; 76.75,30.9 76.75,30.33 ; 67.86,21.44 P1.A8 ; P1.A8 67.86,22.57 ; P1.A8 68.43,22.01 ; P1.A8 67.3,22.01 ; P1.B31 69.7,51.21 ; P1.B31 68.57,51.21 ; P1.B31 69.14,50.65 ; P1.B31 69.14,51.78 ; 71.67,15.65 72.24,15.65 ; 71.67,15.65 71.11,15.65 ; 71.67,15.65 71.67,15.09 ; 71.67,15.65 71.67,16.22 ; P1.D6 71.67,20.03 ; P1.D6 71.67,18.9 ; P1.D6 71.11,19.46 ; P1.D6 72.24,19.46 ; P1.E20 73.51,37.24 ; P1.E20 72.94,36.68 ; P1.E20 72.38,37.24 ; P1.E20 72.94,37.81 ; 67.3,37.24 P1.A20 ; P1.A20 68.43,37.24 ; P1.A20 67.86,36.68 ; P1.A20 67.86,37.81 ; 72.94,41.05 72.94,41.62 ; 72.94,41.05 72.94,40.49 ; 72.94,41.05 72.38,41.05 ; 72.94,41.05 73.51,41.05 ; P1.A36 67.86,58.13 ; P1.A36 68.43,57.56 ; P1.A36 67.3,57.56 ; P1.A36 67.86,57 ; 74.22,38.52 74.78,38.52 ; 74.22,38.52 74.22,39.08 ; 74.22,38.52 73.65,38.52 ; 74.22,38.52 74.22,37.95 ; P1.D10 71.67,25.11 ; P1.D10 72.24,24.55 ; P1.D10 71.11,24.55 ; P1.D10 71.67,23.98 ; P1.E26 73.51,44.86 ; P1.E26 72.94,44.3 ; P1.E26 72.94,45.43 ; P1.E26 72.38,44.86 ; 67.86,27.79 P1.A13 ; P1.A13 67.3,28.35 ; P1.A13 67.86,28.92 ; P1.A13 68.43,28.35 ; 78.73,14.38 P1.K2 ; P1.K2 79.3,13.82 ; P1.K2 79.86,14.38 ; P1.K2 79.3,14.95 ; 67.86,18.2 67.86,18.76 ; 67.86,18.2 68.43,18.2 ; 67.86,18.2 67.3,18.2 ; 67.86,18.2 67.86,17.63 ; 73.65,34.7 P1.F18 ; P1.F18 74.22,35.27 ; P1.F18 74.78,34.7 ; P1.F18 74.22,34.14 ; 75.48,48.11 P1.G29 ; P1.G29 76.05,48.67 ; P1.G29 75.48,49.24 ; P1.G29 74.92,48.67 ; 79.3,18.9 P1.K6 ; P1.K6 78.73,19.46 ; P1.K6 79.3,20.03 ; P1.K6 79.86,19.46 ; P1.K39 79.86,61.38 ; P1.K39 79.3,60.81 ; P1.K39 79.3,61.94 ; P1.K39 78.73,61.38 ; P1.H18 76.75,35.27 ; P1.H18 76.75,34.14 ; P1.H18 77.32,34.7 ; P1.H18 76.19,34.7 ; 74.92,41.05 75.48,41.05 ; 75.48,41.05 75.48,41.62 ; 75.48,41.05 76.05,41.05 ; 75.48,41.05 75.48,40.49 ; 67.86,33.44 67.86,34 ; 67.86,33.44 67.3,33.44 ; 67.86,33.44 67.86,32.87 ; 67.86,33.44 68.43,33.44 ; 79.3,30.33 79.3,30.9 ; 79.3,30.9 79.3,31.46 ; 79.3,30.9 78.73,30.9 ; 79.3,30.9 79.86,30.9 ; 67.86,38.52 68.43,38.52 ; 67.86,38.52 67.86,37.95 ; 67.86,38.52 67.86,39.08 ; 67.86,38.52 67.3,38.52 ; 79.3,26.52 P1.K12 ; P1.K12 79.86,27.09 ; P1.K12 78.73,27.09 ; P1.K12 79.3,27.65 ; P1.A40 68.43,62.64 ; P1.A40 67.86,63.21 ; P1.A40 67.86,62.08 ; P1.A40 67.3,62.64 ; 70.41,32.87 70.41,33.44 ; 70.41,33.44 70.97,33.44 ; 70.41,33.44 70.41,34 ; 70.41,33.44 69.84,33.44 ; 77.46,33.44 78.02,33.44 ; 78.02,33.44 78.59,33.44 ; 78.02,33.44 78.02,32.87 ; 78.02,33.44 78.02,34 ; 67.86,51.92 P1.A32 ; P1.A32 68.43,52.48 ; P1.A32 67.3,52.48 ; P1.A32 67.86,53.05 ; 72.38,25.81 P1.E11 ; P1.E11 73.51,25.81 ; P1.E11 72.94,26.38 ; P1.E11 72.94,25.25 ; 69.84,16.93 P1.C4 ; P1.C4 70.97,16.93 ; P1.C4 70.41,17.49 ; P1.C4 70.41,16.36 ; 71.67,13.82 P1.D2 ; P1.D2 71.11,14.38 ; P1.D2 72.24,14.38 ; P1.D2 71.67,14.95 ; 76.19,42.32 P1.H24 ; P1.H24 77.32,42.32 ; P1.H24 76.75,42.89 ; P1.H24 76.75,41.76 ; 72.94,32.87 72.94,33.44 ; 72.94,33.44 72.38,33.44 ; 72.94,33.44 73.51,33.44 ; 72.94,33.44 72.94,34